# Altium PCB PMR_for_R124_test.PcbDoc (part 2 of 2) (continued)
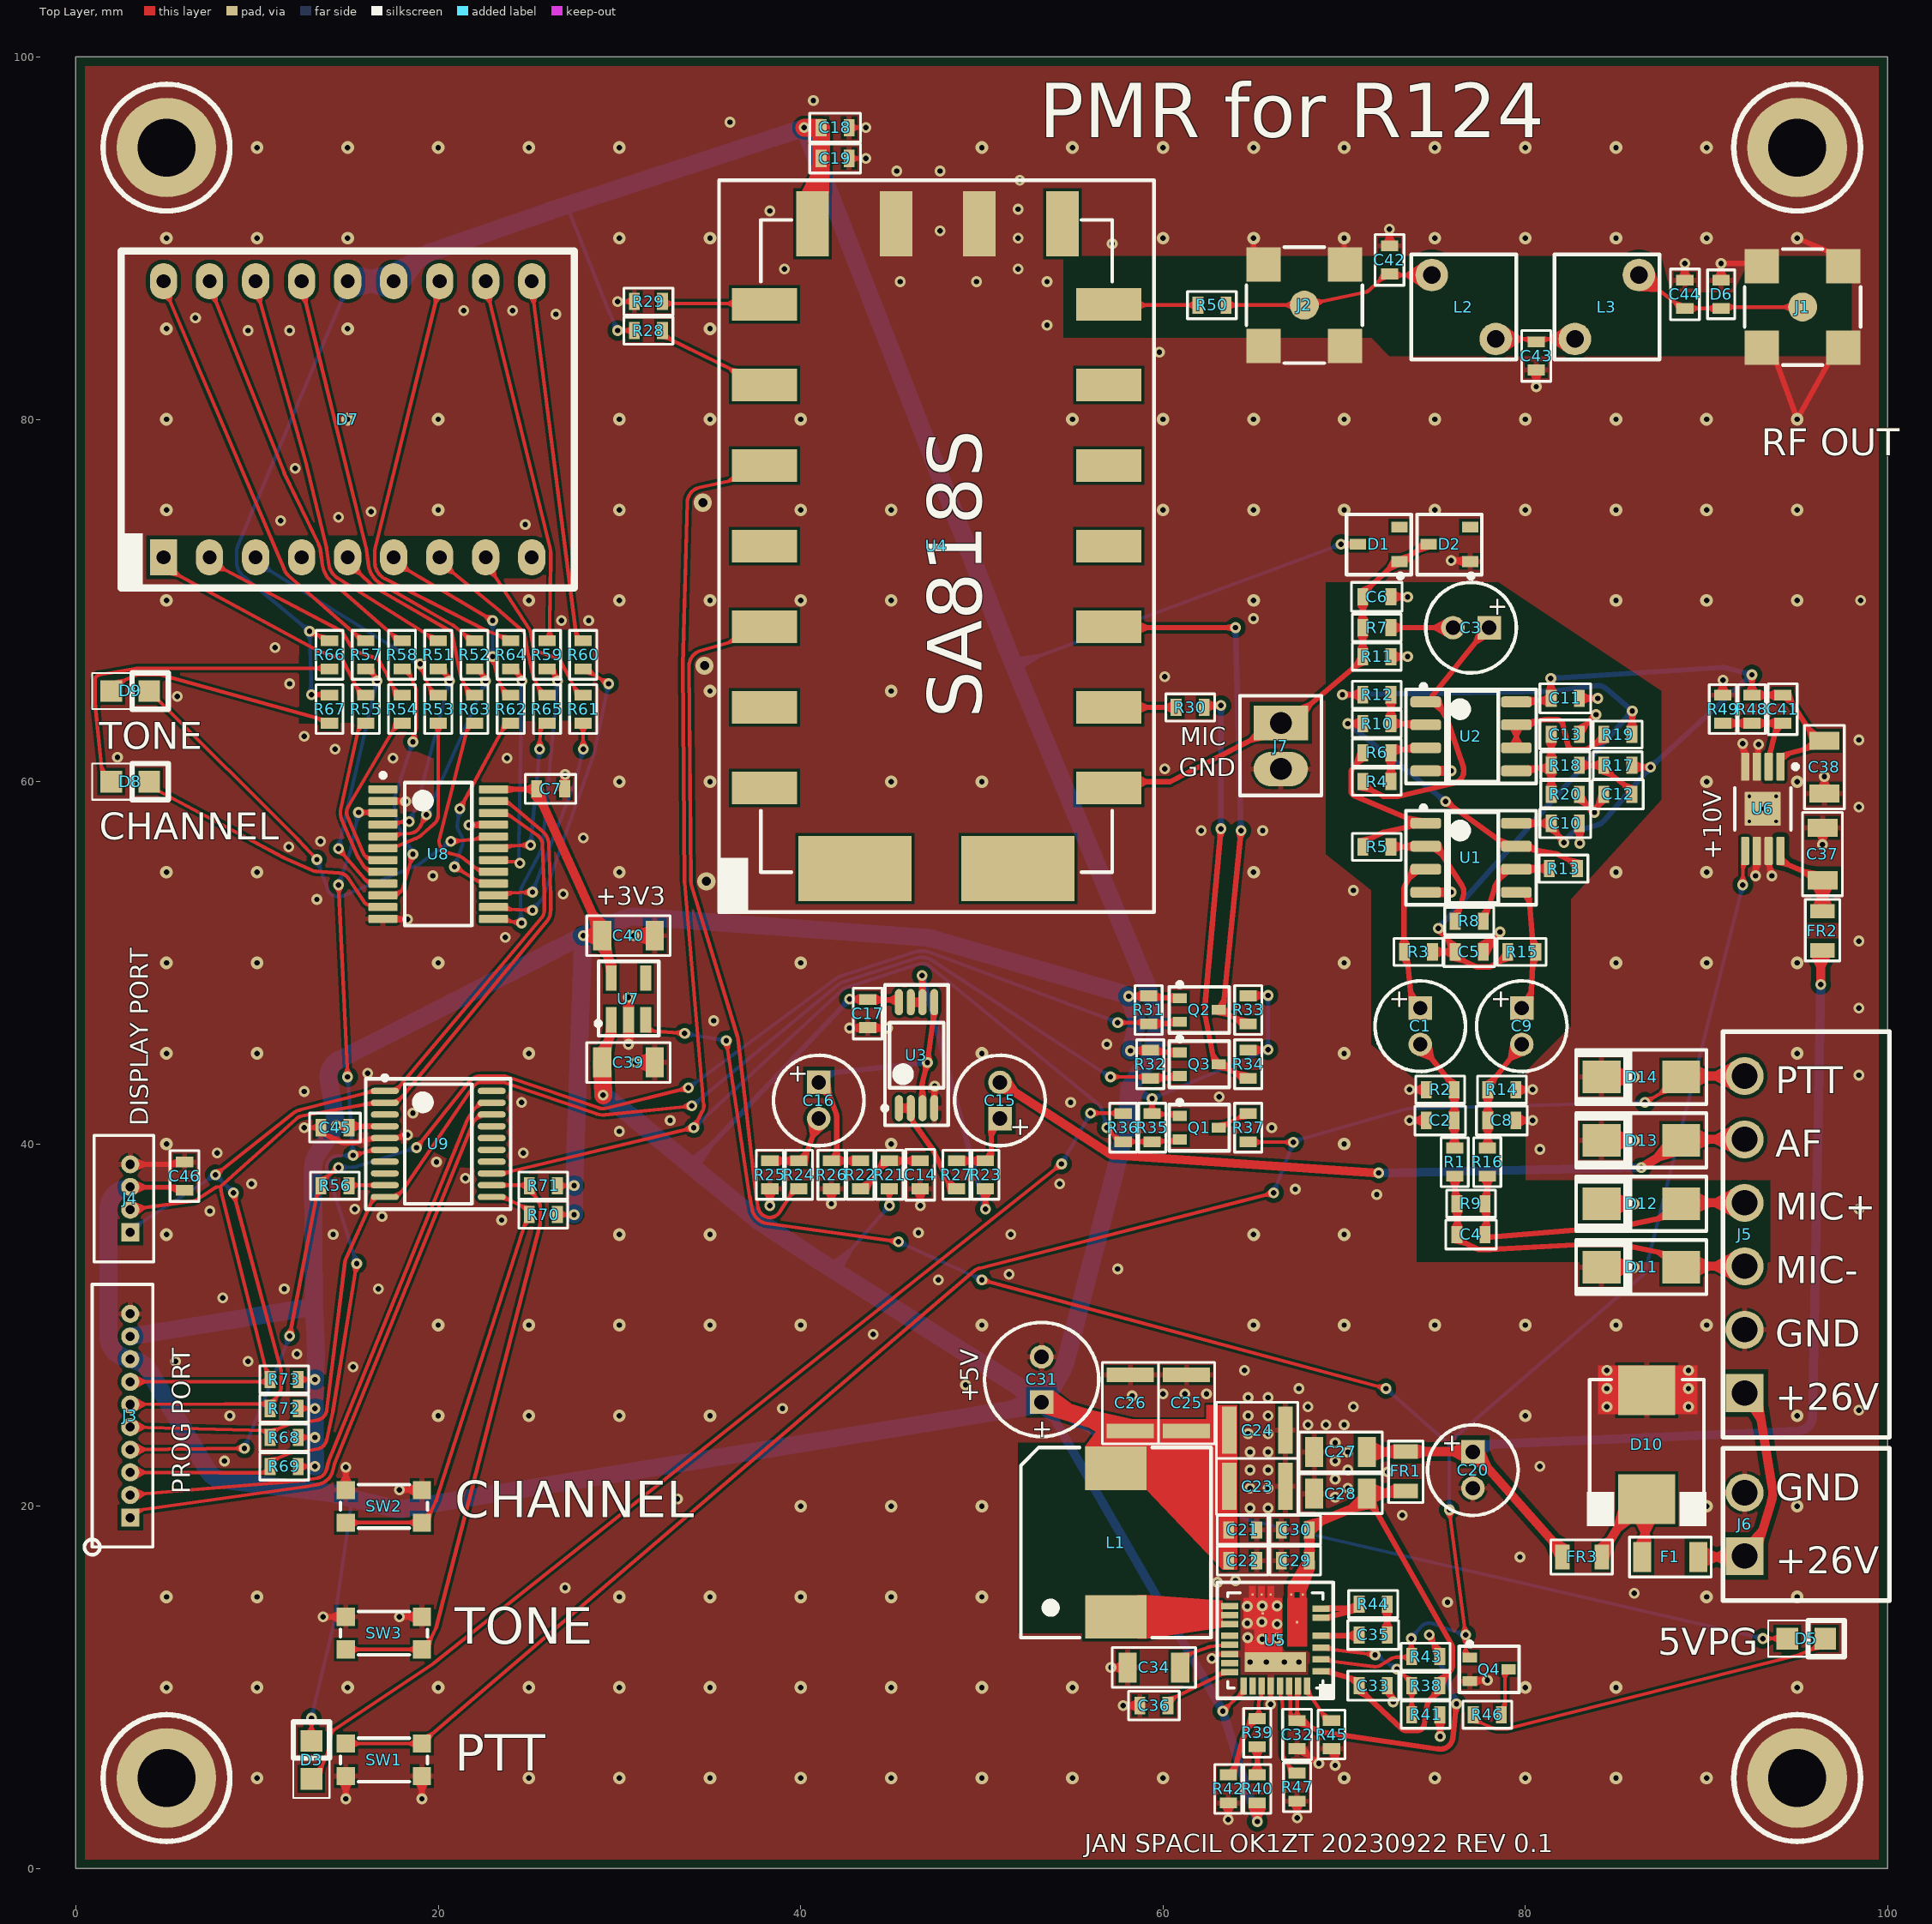
[diagram p0: Top Layer view]
## Nets (pads, with @x,y where several pads share a name; then routed paths per layer and width w, separated by ;. In a path a pad name is that pad's centre, name@x,y a point inside that pad or via, vN(x,y) a via of type N, cw(c..) or ccw(c..) an arc to the next point about the centre after c; other vN are vias at no path point) (continued)
  Top Layer w0.5: v1(30.5,45.5) 30.5,46.4 U7.2@30.5,46.85 30.5,47.3 v1(30.5,48.1) ; v1(30.8,51.5) 31.7,51.5 C40.1@31.95,51.5 ; v1(30.9,44.5) C39.1@31.95,44.5 ; U1.4@74.5,53.895 75.1,53.9 v1(75.9,53.9) ; U2.4@74.5,60.595 75.1,60.6 v1(75.9,60.6) ; C5.2@77.675,50.6 77.725,50.825 v1(78.6,51.7) ; D11.1@84.2,33.2 v1(86,33.2) ; D12.1@84.2,36.7 v1(86,36.7) ; D13.1@84.2,40.2 v1(86,40.2) ; D14.1@84.2,43.7 v1(86,43.7)
  other v1: 64.8,11.4 65.7,11.4 66.7,11.4 67.5,11.4 65.48,12.663 66.3,12.7 64.672,12.748 66.3,13.5 64.65,13.55 65.458,13.621 64.65,14.475 65.475,14.5 66.3,14.5 75.7,14.7 86,15.2 27,15.5 63,15.8 64,15.9 79.7,17.2 73.2,19.5 64.8,19.9 65.8,19.9 33.2,20.4 69.5,20.5 64.8,21 65.8,21 70.2,21 69.5,21.5 72.4,21.9 64.8,22 65.8,22 70.2,22 80.8,22.2 8.2,22.5 69.5,22.5 64.8,23 65.8,23 70.2,23 69.5,23.5 64.7,24 65.8,24 68,24.5 69,24.5 70,24.5 8.5,25 64.7,25 65.8,25 98.4,25.3 39,25.4 68,25.5 70.5,25.5 84.5,25.5 89,25.5 64.7,26 65.8,26 58.3,26.1 60,26.2 61.2,26.2 62.4,26.2 67.5,26.5 84.5,26.5 89,26.5 49.1,26.7 64.5,27.5 84.5,27.5 89,27.5 15.3,27.7 5.5,28 9.5,28 12.2,28.4 44,29.5 8.1,31.5 11.5,32 16.7,32 47.6,32.5 51.5,32.8 57.5,33.1 14.2,35 51.6,35 46.5,35.1 23.5,35.8 16.9,36 7.4,36.3 15.4,36.4 98.4,36.4 71.8,37.2 67.3,37.5 9.7,37.8 54.3,37.8 21.5,38.1 19.9,39 7.8,39.5 24.7,39.5 80.8,39.7 30,40.7 66,40.9 32.8,41.3 18.6,41.7 24.6,42.3 54.9,42.3 63.1,42.6 12.6,42.9 98.4,43.8 16.1,43.9 56.9,45.5 35.2,46.8 98.4,47.5 98.4,51.2 23.7,51.4 13.3,53.5 26.9,53.8 70.5,54 19.7,54.8 11.75,56.4 13.5,56.7 28,56.9 62.1,57.3 65.5,57.3 98.4,58.6 60.1,60.7 17.5,61.3 23.8,61.3 2.3,61.35 14.3,61.8 98.4,62.3 12.6,62.5 5.6,64.7 11.8,65.4 60.1,65.8 11,67.4 26.8,68.9 28.3,68.9 65,69 98.5,70 24.8,74.2 11.3,74.4 14.5,74.6 16.3,74.9 12.1,77.3 59.8,83.7 9.5,84.9 11.8,84.9 53.6,85.2 6.6,85.6 26.5,85.8 21.4,86 24.1,86 45.5,87.6 49.7,87.6 53.6,87.6 39.1,88.3 52,88.3 57.2,89.7 52,90 47.7,90.4 38.3,91.5 52,91.6 52.1,93.2 45.3,93.7 47.7,93.7 36.1,96.4 40.7,97.6
  other v2: 10,5 25,5 30,5 35,5 40,5 45,5 50,5 55,5 60,5 70,5 75,5 80,5 85,5 90,5 5,10 10,10 15,10 20,10 25,10 30,10 35,10 40,10 45,10 50,10 55,10 80,10 85,10 95,10 5,15 10,15 30,15 35,15 40,15 45,15 50,15 90,15 95,15 40,20 45,20 50,20 90,20 95,20 20,25 25,25 30,25 35,25 80,25 95,25 20,30 25,30 30,30 35,30 40,30 50,30 65,30 70,30 75,30 80,30 85,30 90,30 5,35 30,35 35,35 65,35 70,35 5,40 45,40 70,40 5,45 10,45 25,45 50,45 70,45 95,45 5,50 10,50 20,50 40,50 70,50 85,50 90,50 95,50 5,55 10,55 30,55 65,55 85,55 90,55 30,60 35,60 45,60 50,60 90,60 95,60 35,65 45,65 5,70 25,70 30,70 35,70 40,70 45,70 65,70 85,70 90,70 95,70 5,75 20,75 30,75 40,75 45,75 60,75 65,75 70,75 75,75 80,75 85,75 90,75 95,75 5,80 15,80 20,80 30,80 35,80 40,80 55,80 60,80 65,80 70,80 75,80 80,80 85,80 90,80 5,85 15,85 35,85 5,90 10,90 15,90 30,90 35,90 60,90 75,90 80,90 85,90 90,90 10,95 15,95 20,95 25,95 30,95 50,95 55,95 60,95 65,95 70,95 75,95 80,95 85,95 90,95
  other v3: 92.36,57.81 93.84,57.81 93.1,58.5 92.36,59.19 93.84,59.19
  other v4: 34.8,54.5 34.7,66.4 34.6,75.4
H/L: R29.2 U4.7 | length 5.7
  Top Layer w0.2: R29.2@32.375,86.5 32.575,86.395 36.3,86.395 U4.7@38,86.35
"MIC OUT": C6.2 D1.1 D2.3 J7.1 R7.1 R11.2 U4.18 | length 24.2
  Top Layer w0.3: U4.18@57,59.65 58.65,59.996 60.392,59.996 65.15,62.44 J7.1@66.5,63.24 67.85,64.04 70.875,66.575 R11.2@71.025,66.9 R7.1@71.025,68.5 C6.2@71.025,70.2 71.175,70.525 72.75,72 D1.1@73.05,72.15 73.35,72.3 74.35,72.95 D2.3@74.65,73.1
MIC+: C4.2 D11.2 J5.3 R1.1 R9.2 | length 19.7
  Top Layer w0.3: R1.1@76.1,38.225 76.112,38.075 76.112,37.025 R9.2@76.225,36.7 ; C4.2@76.225,35 76.243,35.325 76.243,36.375 R9.2@76.248,36.7 ; C4.2@76.325,35 76.375,34.675 77.322,34.21 ccw(c77.475,34.525) 77.475,34.175 78.075,34.175 ccw(c78.075,34.525) 78.094,34.176 83.131,34.449 cw(c83.15,34.1) 83.15,34.45 85.25,34.45 cw(c85.25,34.1) 85.321,34.443 87.7,33.95 D11.2@88.6,33.2
  Top Layer w0.5: D11.2@88.6,33.2 89.4,33.25 J5.3@92.1,33.25
MIC-: C4.1 D12.2 J5.4 R9.1 R16.1 | length 17.9
  Top Layer w0.3: C4.1@77.775,35 77.856,35.325 77.856,36.375 R9.1@77.875,36.694 ; R9.1@77.775,36.7 77.888,37.025 77.888,38.075 R16.1@77.9,38.225 ; C4.1@77.875,35 77.925,34.865 78.125,34.865 ccw(c78.125,35.165) 78.149,34.866 85.279,35.451 ccw(c85.25,35.8) 85.321,35.457 87.7,35.95 D12.2@88.6,36.7
  Top Layer w0.5: D12.2@88.6,36.7 89.4,36.75 J5.4@92.1,36.75
MODE: R45.2 U5.27 | length 2.4
  Top Layer w0.2: U5.27@67.951,10.075 68.029,9.705 68.925,8.375 R45.2@69.3,8.175
NetC3_2: C3.2 R7.2 | length 3.4
  Top Layer w0.3: R7.2@72.575,68.5 C3.2@76,68.5
NetC12_2: C12.2 R17.1 R18.2 | length 3.6
  Top Layer w0.3: R18.2@82.975,60.9 R17.1@84.325,60.9 84.475,60.575 85.725,59.625 C12.2@85.875,59.3
NetC14_2: C14.2 R21.1 R22.2 | length 4
  Top Layer w0.3: R22.2@43.3,37.525 43.625,37.675 44.575,38.925 R21.1@44.9,39.075 C14.2@46.6,39.075
NetC16_2: C16.2 R24.2 R25.1 | length 4.3
  Top Layer w0.3: R25.1@38.3,39.075 R24.2@39.9,39.075 40.225,39.225 C16.2@41,41.4
NetD3_1: D3.1 R36.2 | length 59
  Top Layer w0.2: D3.1@13,4.95 13.5,5.45 13.876,6.332 ccw(c13.6,6.45) 13.894,6.392 14.106,7.458 cw(c14.4,7.4) 14.233,7.649 19.767,11.351 ccw(c19.6,11.6) 19.787,11.365 v1(54.4,38.9) ; v1(56,41.7) 57.425,41.7 R36.2@57.8,41.675
  Bottom Layer w0.2: v1(54.4,38.9) v1(56,41.7)
NetD5_2: D5.2 R46.2 | length 20.5
  Top Layer w0.2: R46.2@77.125,8.5 77.325,8.125 78.263,7.747 ccw(c78.375,8.025) 78.375,7.725 78.975,7.725 ccw(c78.975,8.025) 79.048,7.734 95.124,11.809 ccw(c95.05,12.1) 95.167,11.824 96.05,12.2 D5.2@96.55,12.7
NetD7_1: D7.1 R55.1 | length 13.9
  Top Layer w0.2: D7.1@4.84,72.38 5.49,71.48 13.382,67.211 ccw(c13.525,67.475) 13.43,67.19 14.57,66.81 cw(c14.475,66.525) 14.741,66.664 15.625,64.975 R55.1@16,64.775
NetD7_2: D7.2 R54.1 | length 13.6
  Top Layer w0.2: D7.2@7.38,72.38 7.38,72.13 14.614,68.341 cw(c14.475,68.075) 14.733,68.227 15.267,67.323 ccw(c15.525,67.475) 15.43,67.19 16.57,66.81 cw(c16.475,66.525) 16.736,66.673 17.188,65.877 cw(c16.619,65.554) 17.208,65.838 17.625,64.975 R54.1@18,64.775
NetD7_3: D7.3 R53.1 | length 13
  Top Layer w0.2: v1(19,66.5) 19.243,65.824 ccw(c19.525,65.925) 19.252,65.801 19.625,64.975 R53.1@20,64.775
  Bottom Layer w0.2: D7.3@9.92,72.38 9.92,72.13 v1(19,66.5)
NetD7_5: D7.5 R63.1 | length 11
  Top Layer w0.2: D7.5@15,72.38 15,72.13 16.335,70.861 ccw(c17.54,72.13) 16.666,70.614 20.627,68.334 cw(c20.475,68.075) 20.769,68.135 21.231,65.865 ccw(c21.525,65.925) 21.252,65.801 21.625,64.975 R63.1@22,64.775
NetD7_6: D7.6 R62.1 | length 11.1
  Top Layer w0.2: D7.6@17.54,72.38 17.54,72.13 v1(23,68.9) ; v1(23,66.9) 23.232,65.86 ccw(c23.525,65.925) 23.252,65.801 23.625,64.975 R62.1@24,64.775
  Bottom Layer w0.2: v1(23,66.9) v1(23,68.9)
NetD7_7: D7.7 R65.1 | length 10.1
  Top Layer w0.2: D7.7@20.08,72.38 20.08,72.13 23.414,69.406 cw(c23,68.9) 23.432,69.391 24.673,68.3 cw(c24.475,68.075) 24.772,68.118 24.882,67.379 ccw(c25.525,67.475) 24.891,67.33 25.233,65.857 ccw(c25.525,65.925) 25.252,65.801 25.625,64.975 R65.1@26,64.775
NetD7_8: D7.8 R61.1 | length 9.8
  Top Layer w0.2: D7.8@22.62,72.38 22.62,72.13 25.02,68.429 cw(c24.475,68.075) 25.118,68.171 25.228,67.43 ccw(c25.525,67.475) 25.43,67.19 26.57,66.81 cw(c26.475,66.525) 26.739,66.668 27.169,65.872 cw(c26.594,65.561) 27.177,65.857 27.625,64.975 R61.1@28,64.775
NetD7_10: D7.10 R60.1 | length 20.2
  Top Layer w0.2: D7.10@25.16,87.62 25.16,87.37 27.625,67.975 R60.1@28,67.775
NetD7_11: D7.11 R59.1 | length 20.3
  Top Layer w0.2: D7.11@22.62,87.62 22.62,87.37 26.18,72.881 cw(c25.16,72.63) 26.21,72.63 26.21,72.13 cw(c25.16,72.13) 26.21,72.109 26.146,68.913 ccw(c26.8,68.9) 26.146,68.9 26.146,67.975 R59.1@26,67.775
NetD7_12: D7.12 R64.1 | length 24.8
  Top Layer w0.2: D7.12@20.08,87.62 20.08,87.37 16.521,72.882 ccw(c17.54,72.63) 16.49,72.63 16.49,72.13 ccw(c17.54,72.13) 17.061,71.195 22.703,68.317 ccw(c23,68.9) 22.775,68.286 23.625,67.975 R64.1@24,67.775
NetD7_15: D7.15 R52.1 | length 23.4
  Top Layer w0.2: D7.15@12.46,87.62 12.46,87.37 16.02,72.881 cw(c15,72.63) 16.041,72.771 16.153,71.941 ccw(c17.54,72.13) 16.842,70.916 20.802,68.637 cw(c20.475,68.075) 20.886,68.578 21.625,67.975 R52.1@22,67.775
NetD7_16: D7.16 R51.1 | length 23.6
  Top Layer w0.2: D7.16@9.92,87.62 9.92,87.37 12.729,77.479 cw(c12.1,77.3) 12.736,77.453 13.821,72.959 cw(c12.46,72.63) 13.848,72.815 13.959,71.991 ccw(c15,72.13) 14.439,71.243 19.625,67.975 R51.1@20,67.775
NetD7_17: D7.17 R58.1 | length 23.1
  Top Layer w0.2: D7.17@7.38,87.62 7.38,87.37 11.493,77.056 ccw(c12.1,77.3) 11.51,77.017 13.406,73.086 cw(c12.46,72.63) 13.501,72.769 13.612,71.944 ccw(c15,72.13) 14.078,71.076 17.625,67.975 R58.1@18,67.775
NetD7_18: D7.18 R57.1 | length 23.3
  Top Layer w0.2: D7.18@4.84,87.62 4.84,87.37 11.494,71.719 ccw(c12.46,72.13) 11.769,71.34 15.625,67.975 R57.1@16,67.775
NetD8_1: D8.1 R66.2 | length 18.8
  Top Layer w0.2: D8.1@1.95,60 1.45,60.5 1.052,64.37 cw(c1.35,64.4) 1.05,64.4 1.05,65.6 cw(c1.35,65.6) 1.3,65.896 3.342,66.241 cw(c3.45,65.6) 3.45,66.25 13.625,66.25 R66.2@13.812,66.125
NetD9_1: D9.1 R67.2 | length 12.7
  Top Layer w0.2: D9.1@1.95,65 2.45,65.5 3.332,65.876 cw(c3.45,65.6) 3.45,65.9 4.65,65.9 cw(c4.65,65.6) 4.73,65.889 13.625,63.425 R67.2@14,63.225
NetQ1_3: Q1.3 R37.1 | length 1.8
  Top Layer w0.2: Q1.3@63.075,40.9 63.375,41.075 64.325,41.475 R37.1@64.7,41.675
NetQ4_3: Q4.3 R46.1 | length 2.6
  Top Layer w0.2: R46.1@78.675,8.5 78.875,8.875 78.875,10.825 Q4.3@79.075,11
NetR4_1: R4.1 R6.2 U2.3 | length 3.6
  Top Layer w0.3: R4.1@72.575,60 R6.2@72.575,61.6 72.725,61.769 73.8,61.769 U2.3@74.5,61.865
NetR10_2: R10.2 R12.2 U2.2 | length 3.5
  Top Layer w0.3: R12.2@72.575,64.8 R10.2@72.575,63.2 72.725,63.195 73.8,63.195 U2.2@74.5,63.135
NetR30_2: R30.2 U4.17 | length 3.7
  Top Layer w0.3: U4.17@57,64.1 R30.2@60.725,64.1
NetR39_2: R39.2 R40.1 | length 1.5
  Top Layer w0.3: R40.1@65.2,5.175 R39.2@65.2,6.725
NetR56_2: R56.2 U9.9 | length 2
  Top Layer w0.2: R56.2@15.075,37.7 15.275,37.725 U9.9@17.05,37.725
NRST: J3.3 R69.1 U8.3 U9.6 | length 51.1
  Top Layer w0.2: J3.3@3,21.875 7.929,21.846 10.525,21.846 R69.1@10.725,22.2 10.925,22.575 11.863,22.953 cw(c11.975,22.675) 11.951,22.974 12.599,23.026 ccw(c12.575,23.325) 12.629,23.03 13.318,23.157 ccw(c13.2,23.8) 13.838,23.657 14.18,25.18 ccw(c13.2,25.4) 14.191,25.241 v1(15.5,33.4) ; v1(14.5,54.3) v1(15,43.7) ; v1(15.3,39.371) 16.45,39.675 U9.6@17.05,39.675 ; v1(15.6,58.3) 16.25,58.3 U8.3@16.95,58.275
  Bottom Layer w0.2: v1(14.5,54.3) 15.118,56.086 ccw(c14.5,56.3) 15.139,56.162 v1(15.6,58.3) ; v1(15,43.7) v1(15.3,39.371) 14.486,39.354 ccw(c14.5,38.7) 13.876,38.503 v1(15.5,33.4)
PD: R28.2 U4.6 | length 6.5
  Top Layer w0.2: R28.2@32.375,84.9 32.575,84.525 36.3,82.7 U4.6@38,81.9
PG_5V: Q4.1 R43.1 U5.2 U6.5 U7.3 | length 115.6
  Top Layer w0.2: U7.3@31.45,46.85 31.65,46.25 v1(33.6,46.1) ; v1(35.9,45.7) 37.182,37.128 ccw(c37.825,37.225) 37.186,37.107 37.313,36.415 ccw(c38.3,36.6) 38.161,35.606 v1(45.4,34.6) ; v1(50,32.5) v1(72.3,26.5) ; U5.2@68.725,11.55 69.095,11.472 71.618,11.151 ccw(c71.7,11.8) 72.049,11.247 72.559,11.57 cw(c72.909,11.017) 72.909,11.671 73.525,11.671 R43.1@73.725,11.7 73.7,12.075 v1(73.7,12.7) ; v1(75.8,19.8) 76.698,12.924 cw(c76.5,12.898) 76.7,12.902 v1(76.7,12.9) 76.7,11.825 Q4.1@76.925,11.65 ; v1(92,54.3) 92,55.5 U6.5@92.125,56.175
  Bottom Layer w0.2: v1(33.6,46.1) v1(35.9,45.7) ; v1(45.4,34.6) v1(50,32.5) ; v1(72.3,26.5) 75.732,23.484 75.8,23.424 ; v1(73.7,12.7) 74.19,13.31 cw(c74.7,12.9) 74.914,13.518 v1(76.7,12.9) ; v1(75.8,19.8) 75.8,23.424 ; v1(92,54.3) 86.634,33.04 cw(c86,33.2) 86.427,32.704 76.222,23.915 ccw(c76.45,23.65) 76.184,23.877 75.848,23.483 ccw(c76,23.353) 75.845,23.479 75.8,23.424
PHASE: R44.1 U5.5 U5.6 | length 4.2
  Top Layer w0.3: U5.5@68.725,13.851 69.045,13.879 R44.1@70.675,14.275 ; U5.6@68.725,14.351 69.045,14.379 70.675,14.379 R44.1@70.825,14.6
PS_EN: R38.1 R41.2 U5.3 | length 7.3
  Top Layer w0.2: U5.3@68.725,12.2 69.095,12.122 v1(71.7,11.8) ; v1(72.909,11.017) 73.525,10.475 R38.1@73.725,10.1 R41.2@73.725,8.5
  Bottom Layer w0.2: v1(71.7,11.8) v1(72.909,11.017)
PTT: Q1.2 R35.2 R36.1 U4.5 U9.13 | length 85.1
  Top Layer w0.2: U9.13@22.95,38.375 23.55,38.375 v1(34.1,40.9) 34.143,40.972 ccw(c33.971,41.075) 34.148,40.981 34.578,41.794 ccw(c34,42.1) 34.652,42.156 33.6,54.397 cw(c34.8,54.5) 33.596,54.489 33.496,66.388 cw(c34.7,66.4) 33.496,66.433 33.746,75.424 cw(c34.6,75.4) 34.416,76.234 36.3,76.65 U4.5@38,77.45 ; v1(56.9,40.9) 57.425,40.325 R36.1@57.8,40.125 R35.2@59.4,40.125 59.775,40.156 60.625,40.156 Q1.2@60.925,40.25
  Bottom Layer w0.2: v1(34.1,40.9) 42.255,48.479 cw(c42.7,48) 42.498,48.622 46.498,49.922 cw(c46.7,49.3) 47.114,49.806 56.414,42.206 cw(c56,41.7) 56.63,41.874 v1(56.9,40.9)
"PTT OUT": D14.2 J5.6 R37.2 SW1.2 | length 92.6
  Top Layer w0.2: SW1.2@14.9,6.9 SW1.2@19.1,6.9 19.5,7.3 49.575,32.997 cw(c50,32.5) 49.838,33.134 v1(66.1,37.3) ; R37.2@64.7,40.125 65.075,40.1 v1(67.2,40.1) ; v1(86.6,42.3) 87.65,42.9 D14.2@87.8,43.05
  Top Layer w0.5: D14.2@87.8,43.05 D14.2@88.6,43.7 89.4,43.75 J5.6@92.1,43.75
  Bottom Layer w0.2: v1(66.1,37.3) v1(67.2,40.1) 67.229,40.129 cw(c67.371,39.988) 67.316,40.18 73.42,41.929 cw(c73.6,41.3) 73.583,41.954 v1(86.6,42.3)
"PWR RAIL FILTERED": C37.2 FR2.2 U6.8 | length 4.8
  Top Layer w0.3: U6.8@94.075,56.175 94.15,55.55 95.725,54.9 C37.2@96.4,54.55
  Top Layer w0.5: FR2.2@96.4,52.85 C37.2@96.4,54.55
"REF FB": R19.1 U2.6 U2.7 | length 7.6
  Top Layer w0.3: U2.6@79.5,61.865 U2.7@79.5,63.135 80.2,63.285 81.071,63.421 cw(c81.125,63.075) 81.125,63.425 81.725,63.425 cw(c81.725,63.075) 82.066,63.156 82.335,62.042 ccw(c82.675,62.125) 82.675,61.775 83.275,61.775 ccw(c83.275,62.125) 83.461,61.828 84.175,62.275 R19.1@84.325,62.6
REF_POINT: C13.2 R18.1 R20.1 U2.5 | length 5.2
  Top Layer w0.3: U2.5@79.5,60.595 80.2,60.745 81.275,60.745 R18.1@81.425,60.9 C13.2@81.425,62.6 ; R20.1@81.425,59.3 R18.1@81.425,60.745
"RF SIGNAL OUT": C44.2 D6.2 J1.1 L3.2 | length 9.6
  Top Layer w0.213: L3.2@86.265,87.965 88.431,86.319 C44.2@88.8,86.125 D6.2@90.8,86.125 91.169,86.2 J1.1@95.3,86.2
RX_5V: Q2.3 R33.2 U4.16 | length 30.1
  Top Layer w0.3: U4.16@57,68.55 58.65,68.5 v1(64,68.5) ; v1(64.3,57.3) 63.325,47.525 Q2.3@63.075,47.4 63.325,47.275 64.375,46.775 R33.2@64.7,46.625
  Bottom Layer w0.3: v1(64,68.5) v1(64.3,57.3)
SCL: J3.6 J4.1 R72.1 U8.22 U9.1 | length 58.6
  Top Layer w0.2: J3.6@3,25.625 8.229,25.654 10.525,25.654 R72.1@10.725,25.4 10.925,25.775 11.282,26.371 ccw(c11.025,26.525) 11.325,26.525 11.325,27.475 ccw(c11.025,27.475) 11.315,27.553 v1(8.7,37.3) ; v1(7.7,38.3) 11.977,41.687 cw(c12.6,40.9) 12.35,41.872 16.45,42.925 17.65,42.925 25.7,52.479 ccw(c25.2,52.9) 25.854,52.896 25.854,53.904 ccw(c25.2,53.9) 25.853,53.926 25.754,56.523 ccw(c25.1,56.5) 25.48,57.033 24.003,58.085 ccw(c23.801,57.8) 23.801,58.15 23.75,58.15 U8.22@23.05,58.275
  Bottom Layer w0.2: J4.1@3,35.125 3.4,35.525 v1(7.7,38.3) v1(8.7,37.3)
SDA: J3.7 J4.2 R73.1 U8.23 U9.2 | length 56.6
  Top Layer w0.2: J3.7@3,26.875 10.525,26.875 R73.1@10.725,27 10.525,27.375 8.065,37.142 cw(c8.7,37.3) 8.053,37.206 8.017,37.456 ccw(c7.819,37.428) 8.013,37.476 7.971,37.646 ; J4.2@3,36.375 6.515,36.853 ccw(c6.475,37.15) 6.639,36.899 7.71,37.595 cw(c7.819,37.428) 7.797,37.627 7.971,37.646 ; U8.23@23.05,58.925 23.75,58.8 23.801,58.8 cw(c23.801,58.451) 24.026,58.718 25.747,57.268 cw(c25.1,56.5) 25.806,57.214 25.814,57.206 cw(c25.1,56.5) 26.103,56.539 26.203,53.939 cw(c25.2,53.9) 26.204,53.905 26.204,52.896 cw(c25.2,52.9) 25.974,52.261 18.016,42.623 cw(c17.65,42.925) 17.974,42.578 17.65,42.275 16.45,42.275 12.481,41.543 ccw(c12.6,40.9) 12.165,41.389 7.971,37.646
Sic_power: C28.2 C29.2 C30.2 C33.2 FR1.2 R38.2 U5.1 U5.7 U5.8 U5.29 | length 29.4
  Top Layer w0.3: U5.1@68.725,10.899 69.045,10.872 70.675,10.425 C33.2@70.825,10.1 70.975,9.775 73.152,7.732 ccw(c73.425,8.025) 73.425,7.625 74.025,7.625 ccw(c74.025,8.025) 74.421,7.966 74.579,9.035 cw(c74.975,8.975) 74.669,9.232 75.125,9.775 R38.2@75.275,10.1 75.425,10.425 75.881,10.968 ccw(c75.575,11.225) 75.975,11.224 75.975,12.176 ccw(c75.575,12.175) 75.923,12.372 71.6,20.025 C28.2@71.25,20.7
  Top Layer w0.5: C29.2@68.075,17 C30.2@68.075,18.7 68.125,18.925 71,20.125 C28.2@71.25,20.7 71.5,20.717 72.975,20.717 FR1.2@73.4,20.85
SS: C36.2 U5.19 | length 4
  Top Layer w0.2: C36.2@60.275,9 60.475,9.375 63.305,10.771 U5.19@63.675,10.849
sw5v: L1.1 U5.12 U5.13 U5.14 | length 19
  Top Layer w0.2: U5.14@63.675,13.5 63.305,13.578 59,13.578 L1.1@57.4,13.9 ; U5.13@63.675,14.001 63.305,13.926 59,13.926 L1.1@57.4,13.9 ; U5.12@63.675,14.501 63.305,14.423 59,14.423 L1.1@57.4,13.9
SWCLK: J3.2 U9.19 | length 33.7
  Top Layer w0.2: J3.2@3,20.625 12.6,21.426 ccw(c12.575,21.725) 12.629,21.43 13.318,21.557 ccw(c13.2,22.2) 13.833,22.037 13.928,22.402 cw(c14.9,22.15) 13.97,22.528 21.585,41.285 cw(c22.35,40.975) 21.654,41.419 21.95,41.881 cw(c22.35,41.625) 22.026,41.972 22.35,42.275 U9.19@22.95,42.275
SWDIO: J3.1 U9.18 | length 33.7
  Top Layer w0.2: J3.1@3,19.375 3.4,19.775 12.666,21.081 ccw(c12.575,21.725) 12.692,21.086 13.382,21.213 ccw(c13.2,22.2) 14.172,21.95 14.267,22.313 cw(c14.9,22.15) 14.294,22.396 21.91,41.153 cw(c22.35,40.975) 22.026,41.322 22.35,41.625 U9.18@22.95,41.625
TONE: R71.1 SW3.1 U9.12 | length 33
  Top Layer w0.2: SW3.1@14.9,12.1 SW3.1@19.1,12.1 19.5,12.5 19.87,13.27 ccw(c19.6,13.4) 19.891,13.325 25.616,35.55 ccw(c25.325,35.625) 25.625,35.625 25.625,36.575 ccw(c25.325,36.575) 25.582,36.729 25.225,37.325 R71.1@25.025,37.7 24.825,37.725 U9.12@22.95,37.725
TONE_LED: D9.2 U8.20 | length 25
  Top Layer w0.2: D9.2@4.05,65 4.55,64.5 12.211,56.864 cw(c11.75,56.4) 12.228,56.847 v1(13.3,55.7) ; v1(20.7,56.7) 22.267,56.848 cw(c22.3,56.5) 22.3,56.85 22.35,56.85 U8.20@23.05,56.975
  Bottom Layer w0.2: v1(13.3,55.7) 13.885,54.077 ccw(c14.5,54.3) 14.749,53.695 18.85,55.396 ccw(c18.6,56) 18.981,55.468 v1(20.7,56.7)
TX_5V: Q3.3 R30.1 R34.2 | length 22.8
  Top Layer w0.3: R30.1@62.275,64.1 62.425,64.2 v1(63.2,64.2) ; v1(63.2,57.4) 62.326,47.706 ccw(c62.675,47.675) 62.325,47.675 62.325,47.125 ccw(c62.675,47.125) 62.331,47.058 62.825,44.525 Q3.3@63.075,44.4 63.325,44.275 64.375,43.775 R34.2@64.7,43.625
  Bottom Layer w0.3: v1(63.2,57.4) v1(63.2,64.2)
UART_RX: J3.5 Q3.2 R32.2 R68.1 U9.10 | length 76.5
  Top Layer w0.2: J3.5@3,24.375 10.525,24.175 R68.1@10.725,23.8 10.925,24.175 11.863,24.553 cw(c11.975,24.275) 11.951,24.574 12.6,24.626 ccw(c12.575,24.925) 12.629,24.63 13.318,24.757 ccw(c13.2,25.4) 13.849,25.32 14.851,33.48 cw(c15.5,33.4) 14.904,33.67 16.45,37.075 17.65,37.075 17.974,37.378 ccw(c17.65,37.725) 18.042,37.457 21.958,43.193 cw(c22.35,42.925) 22.347,43.4 23.554,43.4 cw(c23.55,42.925) 23.704,43.374 28.745,41.659 ccw(c29.1,42.7) 29.212,41.606 v1(34,42.1) ; v1(57.1,43.7) 58.925,43.7 R32.2@59.3,43.625
  Top Layer w0.3: R32.2@59.3,43.625 59.625,43.65 60.675,43.65 Q3.2@60.925,43.75
  Bottom Layer w0.2: v1(34,42.1) 42.06,48.773 cw(c42.7,48) 42.39,48.955 46.39,50.255 cw(c46.7,49.3) 47.249,50.14 v1(57.1,43.7)
UART_TX: J3.4 Q2.2 R31.2 R56.1 | length 74.8
  Top Layer w0.2: J3.4@3,23.125 v1(9.3,23.2) ; v1(11.8,29.4) 13.325,37.325 R56.1@13.525,37.7 13.725,38.075 v1(14.5,38.7) ; v1(18.8,39.8) 21.705,43.44 cw(c22.35,42.925) 22.345,43.75 23.556,43.75 cw(c23.55,42.925) 23.816,43.706 28.858,41.99 ccw(c29.1,42.7) 29.282,41.972 v1(33.8,43.1) ; v1(57.5,46.7) 58.825,46.7 R31.2@59.2,46.625
  Top Layer w0.3: R31.2@59.2,46.625 59.525,46.649 60.675,46.649 Q2.2@60.925,46.75
  Bottom Layer w0.2: v1(9.3,23.2) v1(11.8,29.4) ; v1(14.5,38.7) 15.314,38.717 ccw(c15.3,39.371) 15.498,38.748 v1(18.8,39.8) ; v1(33.8,43.1) 41.895,49.089 cw(c42.7,48) 42.281,49.288 46.282,50.588 cw(c46.7,49.3) 47.175,50.568 v1(57.5,46.7)
VDD: C32.2 R43.2 U5.25 U5.26 | length 20.5
  Top Layer w0.2: U5.25@66.951,10.075 67.028,9.705 67.028,8.375 C32.2@67.4,8.175 67.405,8.375 67.405,9.705 U5.26@67.451,10.075
  Top Layer w0.3: C32.2@67.4,8.175 67.725,8.025 68.672,7.56 ccw(c68.825,7.875) 68.775,7.529 75.2,6.603 ccw(c75.3,7.3) 76,7.225 v1(76.2,9.1) ; v1(74.7,12.9) 75.125,12.025 R43.2@75.275,11.7
  Bottom Layer w0.3: v1(74.7,12.9) v1(76.2,9.1)
VDRV: C34.1 U5.16 | length 3.2
  Top Layer w0.2: C34.1@60.95,11.1 61.35,11.825 62.486,12.218 cw(c62.7,11.6) 62.61,12.248 63.164,12.324 cw(c63.205,12.027) 63.205,12.327 63.305,12.327 U5.16@63.675,12.35
pads on no net: D1.2 D2.2 D7.4 D7.9 U4.1 U4.2 U4.4 U4.11 U4.13 U4.14 U4.15 U4.19 U4.20 U5.15 U5.18 U5.21 U7.4 U8.1 U9.3 U9.7 U9.8 U9.14 U9.15 U9.16 U9.17 U9.20

## Polygon pours and split planes (outlines as drawn)
GND on Top Layer "GND_L01_P004" (solid, remove dead copper, pour order 4): 0.5,0.5 0.5,99.5 99.5,99.5 99.5,0.5
GND on Top Layer "GND_L01_P003" (solid, remove dead copper, pour order 3): 69,10.3 69,19.2 71,20.125 71,26.1 62.5,28.6 52,29.5 52,26.6 57.7,24.8 63.5,24.5 63.5,10.3
GND on Bottom Layer "GND_L04_P005" (solid, remove dead copper, pour order 5): 0.5,0.5 0.5,99.5 99.5,99.5 99.5,0.5
+5V on Bottom Layer "GND_L02_P-001" (solid, remove dead copper, pour order 0): 51.1,23.6 59.1,23.6 66.693,46.479 47.996,97 37,97 57.5,46.7
GND on Layer 2 "GND_L03_P001" (solid, remove dead copper, pour order 1): 0.5,0.5 0.5,99.5 99.5,99.5 99.5,0.5
GND on Layer 1 "GND_L02_P002" (solid, remove dead copper, pour order 2): 0.5,0.5 0.5,99.5 99.5,99.5 99.5,0.5

## Other copper
Top Layer:
  rectangle net GND: 84,25.084 89.5,27.767
  rectangle net GND: 64.5,11.6 66.6,12.6
  pour cut-out: 18.675,61.725 19.9,61.2 20,61.4 18.825,61.95
  pour cut-out: 22.4,57.025 22.4,59.425 20.575,59.475 20.075,56.875
  pour cut-out: 18.625,55.3 20.5,55.325 20.525,55.5 18.675,55.525
  pour cut-out: 17.625,40 18.375,40 18.4,39.875 17.6,39.85
  pour cut-out: 21.125,38.725 22.137,38.624 22.4,38.95 21.15,39.075
  pour cut-out: 19.7,39.575 20.55,39.15 20.65,39.3 19.75,39.75
  pour cut-out: 90.275,62.775 90.275,64.325 91.525,64.325 91.525,62.775
  pour cut-out: 3.89,73.58 25.408,73.556 25.408,71.204 3.89,71.18
  pour cut-out: 28.5,63.4 28.5,68.4 12.346,68.206 12.3,63.2
  pour cut-out: 54.5,84.5 71.5,84.5 72.5,83.5 98,83.5 98,89 92.5,89 91.5,87 88,87 87.5,89 54.5,89
  pour cut-out: 93.5,38 80,38 80,44 82.5,46.5 82.5,53.5 87.5,59 87.5,65 78.5,71 69,71 69,56 71.5,54 71.5,45.5 74,43.5 74,33.5 93.5,33.5
  pour cut-out: 62.5,13 52,13 52,23.5 62.5,23.5
  region net +5V: 55.7,20.9 59.1,20.9 63.3,16.5 64.1,16.5 64.1,25.6 62.4,25.6 62.4,24.8 56.8,24.8 55.7,23.3
  region net sw5v: 63.3,13.3 63.3,14.8 59.1,15.1 58.6,15.1 58.6,12.7 59.1,12.7
  region net Sic_power: 66.893,15.271 67.899,15.271 68.4,16.6 68.4,17 67.7,17 66.893,15.595
Layer 1:
  pour cut-out: 52,13 52,23.5 62.6,23.5 62.6,13

## Silkscreen, mask and mechanical layers (free items; w line width, h text height)
Top Overlay:
  circle w0.3: c95,5 r3.5
  circle w0.3: c5,5 r3.5
  circle w0.3: c5,95 r3.5
  circle w0.3: c95,95 r3.5
  text "PMR for R124" at 53.15,95.55 h3
  text "RF OUT" at 93,78 h1.5
  text "SA818S" at 50,63.5 h3 r90
  text "MIC" at 60.95,62 h1
  text "TONE" at 1.3,61.8 h1.5
  text "GND" at 60.867,60.3 h1
  text "CHANNEL" at 1.3,56.8 h1.5
  text "+10V" at 90.8,55.7 h1 r90
  text "+3V3" at 28.7,53.2 h1
  text "PTT" at 93.8,42.8 h1.5
  text "DISPLAY PORT" at 4,41 h1 r90
  text "AF" at 93.8,39.3 h1.5
  text "MIC+" at 93.8,35.8 h1.5
  text "MIC-" at 93.8,32.3 h1.5
  text "GND" at 93.8,28.8 h1.5
  text "+5V" at 49.8,25.7 h1 r90
  text "+26V" at 93.8,25.3 h1.5
  text "PROG PORT" at 6.3,20.7 h1 r90
  text "GND" at 93.8,20.3 h1.5
  text "CHANNEL" at 20.9,19.4 h2
  text "+26V" at 93.8,16.3 h1.5
  text "TONE" at 20.9,12.4 h2
  text "5VPG" at 87.3,11.8 h1.5
  text "PTT" at 20.9,5.4 h2
  text "JAN SPACIL OK1ZT 20230922 REV 0.1" at 55.675,0.9 h1
Bottom Overlay:
  circle w0.3: c95,5 r3.5
  circle w0.3: c5,5 r3.5
  circle w0.3: c5,95 r3.5
  circle w0.3: c95,95 r3.5
  rectangle: 83.5,45.5 90.5,51.5
  lines w0.3: 77.5,28 90.5,28 ; 77.5,31.5 90.5,31.5 ; 77.5,35 90.5,35 ; 77.5,38.5 90.5,38.5 ; 77.5,42 90.5,42 ; 83.5,19 90.5,19 ; 83.5,24.5 83.5,51.5 ; 77.5,45.5 77.5,51.5 90.5,51.5 90.5,45.5 ; 77.5,45.5 77.5,24.5 90.5,24.5 90.5,45.5 ; 77.5,45.5 90.5,45.5 ; 4,17 10,17 10,33 4,33 4,17 ; 4,34 10,34 10,41 4,41 4,34 ; 83.5,15.5 83.5,23 90.5,23 90.5,15.5 83.5,15.5
  text "PMR for R124" at 87.4,95.6 h3
  text "A-1" at 82.7,50.2 h1.5 r90
  text "A3" at 81.7,42.8 h1.5
  text "PTT" at 89.7,42.8 h1.5
  text "DISPLAY PORT" at 13.5,41 h1 r90
  text "B2" at 81.7,39.3 h1.5
  text "AF" at 89.7,39.3 h1.5
  text "GND" at 8.8,39.2 h1
  text "+5V" at 8.8,37.7 h1
  text "SDA" at 8.8,36.2 h1
  text "C3" at 81.7,35.8 h1.5
  text "MIC+" at 89.7,35.8 h1.5
  text "SCL" at 8.8,34.7 h1
  text "B3" at 81.7,32.3 h1.5
  text "MIC-" at 89.7,32.3 h1.5
  text "GND" at 9.3,31.2 h1
  text "+3V3" at 9.3,29.7 h1
  text "PROG PORT" at 11.8,29.3 h1 r90
  text "C2" at 81.7,28.8 h1.5
  text "GND" at 89.7,28.8 h1.5
  text "+5V" at 9.3,28.2 h1
  text "SDA" at 9.3,26.7 h1
  text "B1" at 81.7,25.3 h1.5
  text "+26V" at 89.7,25.3 h1.5
  text "SCL" at 9.3,25.2 h1
  text "RX" at 9.3,23.7 h1
  text "TX" at 9.3,22.2 h1
  text "NRST" at 9.3,20.7 h1
  text "GND" at 89.7,20.3 h1.5
  text "SWCLK" at 9.3,19.2 h1
  text "SWDIO" at 9.3,17.7 h1
  text "+26V" at 89.7,16.3 h1.5
  text "MIN 12V" at 89.7,11.8 h1.5
  text "MAX 48V" at 89.7,9.3 h1.5
  text "CAUTION mounting holes connected to ground" at 89.7,6.8 h1.5
  text "JAN SPACIL OK1ZT 20230922 REV 0.1" at 89.7,4.3 h1.5
Mechanical 1:
  the board outline again, w0.1

## Text inside footprints (layer, text, board x,y; h text height)
C1: Top Overlay "+" at 73.5,47.4 h1 r90
C3: Top Overlay "+" at 77.9,69.2 h1
C9: Top Overlay "+" at 79.1,47.4 h1 r90
C15: Top Overlay "+" at 51.7,41.5 h1 r270
C16: Top Overlay "+" at 40.3,43.3 h1 r90
C20: Top Overlay "+" at 76.4,22.9 h1 r90
C31: Top Overlay "+" at 52.9,24.8 h1 r270
U5: Top 3D Body "*" at 67.937,11.484 h1.27 r180